# KiCad board berlin.kicad_pcb (continued)
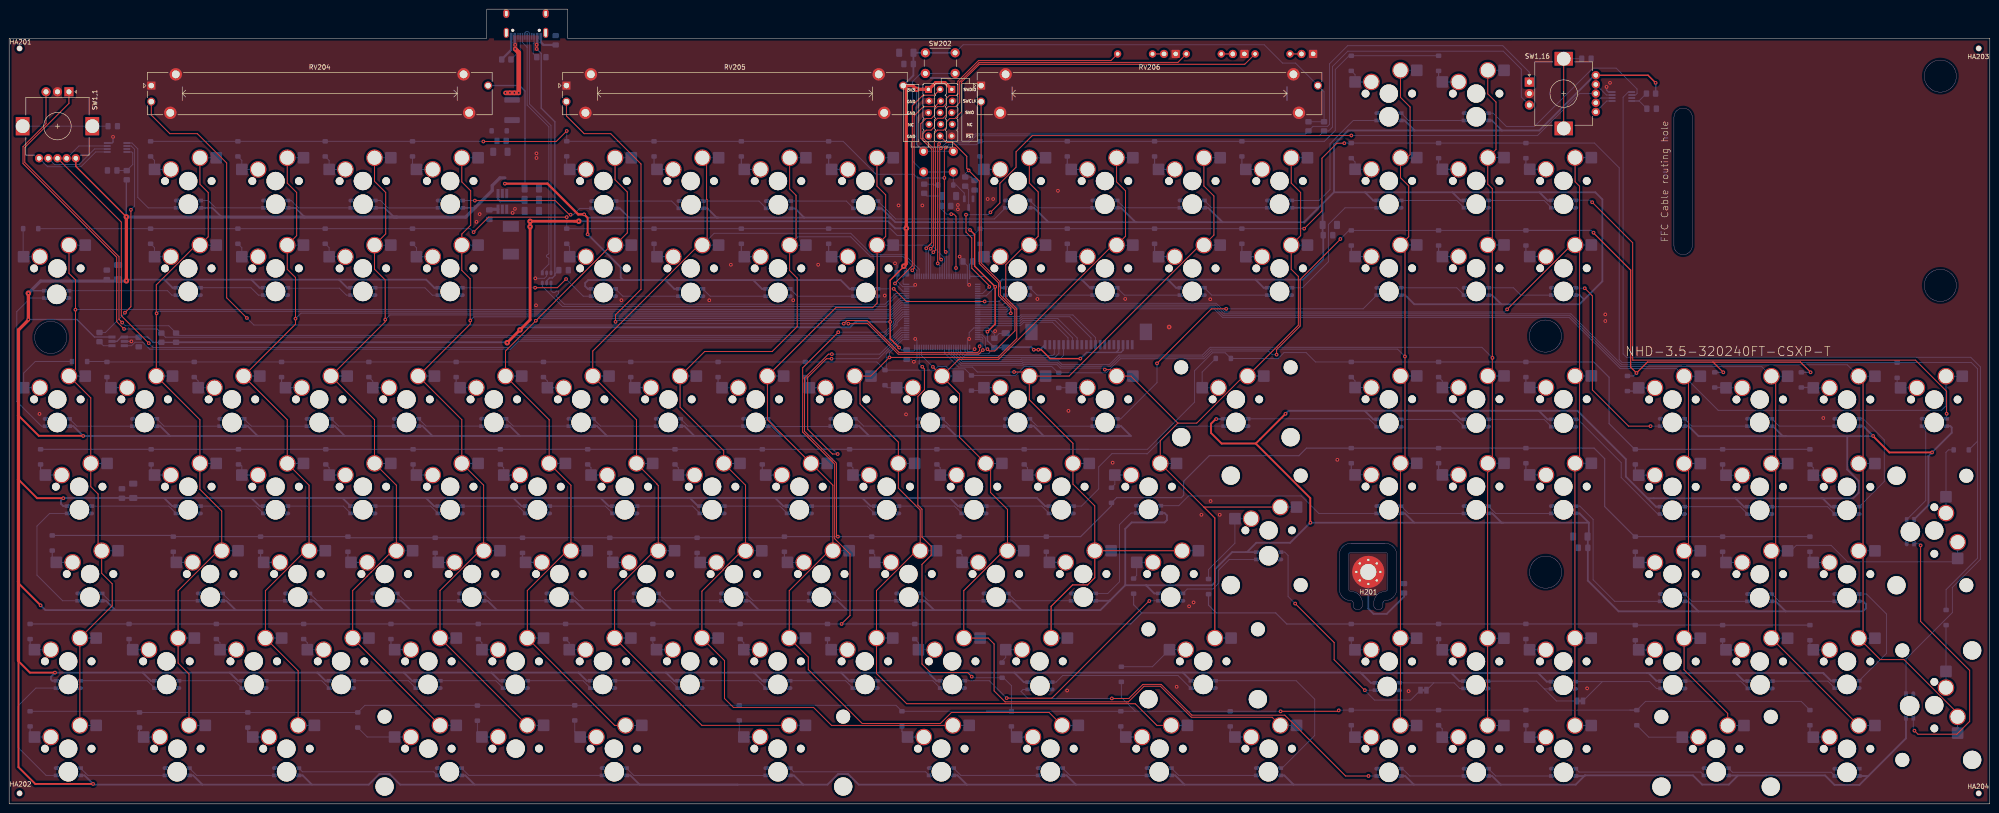
[diagram p0: board, top side]
## Routing (per net, layer and track width the routed paths; a pad name or vN(x,y) marks a point on that pad's centre or on a via; arc(x,y) is an arc through that point) (continued)
+5V: length 3369.8
  Top w0.3: SW1,16.+ 357.62,158.94 v1(359.27,157.29) ; SW1,1.+ 14.54,139.06 v3(25.57,128.04)
  Top w0.4: v3(25.57,128.04) 25.58,128.03 ; 2.03,84.71 6.45,80.29 16.11,80.29 v1(16.15,80.25) ; v1(125.47,128.59) 126.23,127.83 v1(126.23,124.25) ; v1(278.51,85.09) 272.02,78.6 ; v1(6.86,43.31) 2.03,48.13 2.03,48.51 ; v1(4.19,105.66) 4.19,105.54 ; 272.02,78.6 283.92,66.7 283.92,61.35 v1(283.95,61.32) ; 272.02,78.6 264.56,78.6 262.25,80.9 262.25,82.93 263.27,83.95 v1(263.4,83.95) ; 2.03,70.74 6.1,66.67 v1(11.81,66.67) ; v1(406.73,80.25) 406.73,80.2 410.27,76.66 v1(419.59,76.66) ; v1(10,28.63) 4.52,28.63 2.03,31.11 2.03,31.24 2.03,8 5.73,4.3 5.77,4.34 v1(18.31,4.34)
  Top w0.5: v1(125.47,128.59) 124.17,128.59 117.47,135.29 v1(108.17,135.29)
  Top w0.7: 2.03,31.24 2.03,103.38 4.19,105.54 ; 25.58,128.03 v3(25.58,114.09) ; v3(4.19,111.38) v1(4.19,105.66)
  Bottom w0.2: 4.82,111.94 4.78,111.97 ; 25.65,136.11 25.57,136.02 ; 359.29,157.26 v1(359.27,157.29) ; 101.63,130.01 101.74,130.12
  Bottom w0.3: 25.57,136.02 v3(25.57,128.04) ; v1(4.19,105.66) 14.79,105.66 18.62,101.84 U502.6 ; LED2,1.1 4.82,111.94 ; 359.29,154.94 359.29,157.26
  Bottom w0.4: 124.23,28.63 143.33,28.63 145.11,26.85 LED6,8.1 ; 124.23,28.63 105.23,28.63 ; 124.23,28.63 126.01,26.85 LED6,7.1 ; 333.91,133.4 346.1,133.4 347.65,131.86 347.65,113.99 342.65,108.99 325.59,108.99 ; 333.91,133.4 335.69,131.62 LED2,16.1 ; 333.91,133.4 314.93,133.4 ; LED2,6.1 126.26,112.34 125.69,112.91 125.69,113.61 126.34,114.26 134.02,114.26 ; LED4,16.1 335.66,83.87 333.8,85.74 ; 205.26,66.73 224.29,66.73 226.07,64.95 LED4,12.1 ; 205.26,66.73 207.04,64.95 LED4,11.1 ; 205.26,66.73 186.17,66.73 ; LED6,4.1 69.01,26.85 67.23,28.63 ; LED6,11.1 202.31,26.85 200.53,28.63 ; 333.8,85.74 314.82,85.74 ; 333.8,85.74 342.22,85.74 352.77,75.19 352.77,71.39 357.5,66.66 ; 314.82,85.74 316.68,83.87 LED4,15.1 ; 314.82,85.74 295.78,85.74 ; 181.53,28.63 200.53,28.63 ; 181.53,28.63 183.31,26.85 LED6,10.1 ; 181.53,28.63 162.53,28.63 ; 200.53,28.63 219.32,28.63 ; LED3,12.1 223.59,82.4 225.74,80.25 ; LED3,9.1 166.44,82.4 168.59,80.25 ; LED4,4.1 74.5,64.95 72.72,66.73 71.83,66.73 ; LED6,19.1 397.53,26.85 396,28.38 ; 343.86,6.21 343.72,6.07 LED7,16.1 ; 343.86,6.21 341.84,4.19 325.49,4.19 ; 343.86,6.21 367.42,6.21 369.43,4.2 375.24,4.2 377.22,6.18 ; 144.53,42.26 163.59,42.26 ; 144.53,42.26 125.49,42.26 ; 144.53,42.26 142.49,44.3 LED5,7.1 ; 163.59,42.26 161.55,44.3 LED5,8.1 ; 163.59,42.26 201.85,42.26 ; 110.01,66.73 129.05,66.73 ; 110.01,66.73 111.79,64.95 LED4,6.1 ; 110.01,66.73 90.94,66.73 ; 129.05,66.73 167.15,66.73 ; 129.05,66.73 130.83,64.95 LED4,7.1 ; 379.31,26.85 378.46,26.85 376.76,28.55 ; 270.1,54.92 272.14,56.95 279.52,56.95 283.89,61.32 v1(283.95,61.32) 283.96,61.33 344.7,61.33 ; 192.37,127.89 193.37,126.89 226.77,126.89 ; 192.37,127.89 190.36,129.9 LED1,9.1 ; 192.37,127.89 173.47,127.89 ; 280.27,4.19 278.26,6.2 LED7,11.1 ; 280.27,4.19 256.47,4.19 ; 280.27,4.19 306.52,4.19 ; 376.7,66.66 378.53,64.82 LED4,18.1 ; 376.7,66.66 357.5,66.66 ; 376.7,66.66 395.42,66.66 ; 106.54,42.26 106.44,42.26 104.4,44.3 LED5,5.1 ; 106.54,42.26 125.49,42.26 ; 106.54,42.26 87.58,42.26 ; 240.25,44.4 243.53,47.69 ; 240.25,44.4 240.15,44.3 LED5,12.1 ; 240.25,44.4 238.11,42.26 220.88,42.26 ; 243.53,47.69 243.53,59.99 244.94,61.39 252.13,61.39 252.64,61.9 252.64,62.91 252.11,63.44 251.28,63.44 ; 243.53,47.69 248.07,47.69 248.1,47.66 ; 92.38,80.25 111.43,80.25 ; 92.38,80.25 73.24,80.25 ; 92.38,80.25 90.23,82.4 LED3,5.1 ; 111.43,80.25 130.45,80.25 ; 111.43,80.25 109.28,82.4 LED3,6.1 ; 125.49,42.26 123.45,44.3 LED5,6.1 ; LED6,9.1 164.31,26.85 162.53,28.63 ; 206.68,80.25 204.53,82.4 LED3,11.1 ; 206.68,80.25 225.74,80.25 ; 206.68,80.25 187.66,80.25 ; LED4,17.1 359.33,64.82 357.5,66.66 ; LED6,5.1 87.91,26.85 86.13,28.63 ; 314.93,133.4 316.71,131.62 LED2,15.1 ; 314.93,133.4 295.86,133.4 ; 101.57,4.19 99.57,6.19 LED7,5.1 ; 344.7,61.33 342.68,63.35 LED5,16.1 ; 344.7,61.33 344.7,58.6 C722.1 344.47,58.24 C723.1 344.47,48.7 351.19,41.99 368.59,41.99 ; 83.97,127.99 81.95,130.01 LED1,4.1 ; 71.98,114.35 91,114.35 92.78,112.57 LED2,5.1 ; 71.98,114.35 52.85,114.35 ; 71.98,114.35 73.76,112.57 LED2,4.1 ; LED2,13.1 273.74,112.57 271.96,114.35 ; LED7,15.1 323.6,6.07 325.49,4.19 ; 325.99,61.33 325.67,61.33 323.65,63.35 LED5,15.1 ; 225.74,80.25 244.77,80.25 242.63,82.38 LED3,13.1 ; 360.26,26.85 359.41,26.85 357.71,28.55 357.36,28.55 ; 162.53,28.63 143.29,28.63 ; 232.77,4.19 230.76,6.2 229.87,6.2 ; 232.77,4.19 256.47,4.19 ; 232.77,4.19 208.97,4.19 ; 317.38,26.77 316.45,26.77 314.67,28.55 ; 29.2,28.63 29.17,28.59 30.91,26.85 LED6,2.1 ; 29.2,28.63 48.2,28.63 ; 29.2,28.63 v1(10,28.63) 9.12,27.74 9.12,27.14 9.41,26.85 LED6,1.1 ; LED5,1.1 21.13,44.3 23.17,42.26 ; LED2,9.1 183.37,112.34 181.45,114.26 162.36,114.26 ; 68.54,42.26 87.58,42.26 ; 68.54,42.26 49.45,42.26 ; 68.54,42.26 66.5,44.3 LED5,3.1 ; 87.58,42.26 85.54,44.3 LED5,4.1 ; 295.86,133.4 289.14,133.4 ; 295.86,133.4 297.64,131.62 LED2,14.1 ; 130.45,80.25 128.3,82.4 LED3,7.1 ; 130.45,80.25 149.52,80.25 ; 387.66,41.99 385.47,44.17 LED5,18.1 ; 387.66,41.99 404.51,41.99 405.17,42.64 405.17,43.57 404.56,44.17 LED5,19.1 ; 387.66,41.99 368.59,41.99 ; 222.26,26.55 221.4,26.55 219.32,28.63 ; 325.59,108.99 306.61,108.99 304.62,110.97 LED3,14.1 ; 325.59,108.99 323.6,110.97 LED3,15.1 ; 42.17,4.19 40.16,6.2 LED7,2.1 ; 42.17,4.19 78.47,4.19 80.77,6.49 83.02,6.49 85.32,4.19 158.97,4.19 ; 42.17,4.19 18.47,4.19 v1(18.31,4.34) 16.46,6.2 LED7,1.1 ; 396,28.38 395.83,28.55 357.36,28.55 ; 396,28.38 395.89,28.49 ; v1(278.51,85.09) 279.16,85.74 295.78,85.74 ; LED4,1.1 11.81,64.95 11.3,65.45 11.3,66.17 v1(11.81,66.67) 11.86,66.73 33.81,66.73 ; LED2,7.1 145.13,112.34 143.21,114.26 ; 162.36,114.26 143.21,114.26 ; 162.36,114.26 164.28,112.34 LED2,8.1 ; 256.12,28.63 294.88,28.63 294.96,28.55 ; 256.12,28.63 219.32,28.63 ; 256.12,28.63 LED7,13.1 ; 286.6,130.93 C720.1 286.6,124.18 C721.1 286.74,118.78 282.31,114.35 271.96,114.35 ; LED3,4.1 71.1,82.38 73.24,80.25 ; LED7,10.1 254.46,6.2 256.47,4.19 ; 252.84,114.35 234.04,114.35 ; 252.84,114.35 254.62,112.57 LED2,12.1 ; 252.84,114.35 271.96,114.35 ; 234.04,114.35 235.82,112.57 LED2,11.1 ; 234.04,114.35 216.64,114.35 216.23,113.94 216.23,112.93 216.58,112.57 LED2,10.1 ; LED4,2.1 35.59,64.95 33.81,66.73 ; 294.96,28.55 297.12,26.39 LED6,14.1 ; 294.96,28.55 357.36,28.55 ; 295.78,85.74 297.64,83.87 LED4,14.1 ; LED4,19.1 397.54,64.82 395.71,66.66 395.42,66.66 ; SW1,16.+ 345.94,158.94 333.89,146.89 325.74,146.89 ; 135.27,127.89 126.17,127.89 v1(125.47,128.59) ; 135.27,127.89 154.67,127.89 ; 135.27,127.89 133.26,129.9 LED1,6.1 ; 168.59,80.25 187.66,80.25 ; 168.59,80.25 149.52,80.25 ; 187.66,80.25 185.51,82.4 LED3,10.1 ; 23.17,42.26 7.9,42.26 v1(6.86,43.31) ; 23.17,42.26 49.45,42.26 ; 208.97,4.19 206.96,6.2 LED7,8.1 ; 208.97,4.19 185.37,4.19 183.07,6.49 180.87,6.49 178.57,4.19 173.27,4.19 ; 48.2,28.63 48.17,28.59 49.91,26.85 LED6,3.1 ; 48.2,28.63 67.23,28.63 ; LED3,16.1 342.68,110.97 343.66,110 ; LED6,13.1 266.87,54.92 263.16,51.2 263.16,48.38 262.46,47.69 248.12,47.69 248.1,47.66 ; 387.71,80.21 368.64,80.21 366.45,82.4 LED3,17.1 ; 387.71,80.21 406.69,80.21 v1(406.73,80.25) 404.58,82.4 LED3,19.1 ; 387.71,80.21 387.02,80.21 384.83,82.4 LED3,18.1 ; 33.88,114.35 33.88,114.35 52.85,114.35 ; 33.88,114.35 35.65,112.57 LED2,2.1 ; 33.88,114.35 25.84,114.35 v3(25.58,114.09) ; 173.27,4.19 171.27,6.19 LED7,7.1 ; 173.27,4.19 158.97,4.19 ; LED3,8.1 147.37,82.4 149.52,80.25 ; 375.16,6.18 383.37,6.18 383.38,6.19 396.24,6.19 398.31,4.13 403.74,4.13 413.9,14.29 LED2,19.1 ; 368.59,41.99 366.4,44.17 LED5,17.1 ; 306.68,146.89 292.17,146.89 289.1,143.82 289.1,133.45 ; 306.68,146.89 304.49,149.07 LED1,14.1 ; 306.68,146.89 325.74,146.89 ; 395.42,66.66 402.39,66.66 403.56,67.83 403.56,70.46 401.09,72.93 401.09,80.17 ; 333.62,28.55 335.51,26.66 LED6,16.1 ; 105.23,28.63 107.01,26.85 LED6,6.1 ; 105.23,28.63 86.13,28.63 ; 186.17,66.73 187.95,64.95 LED4,10.1 ; 186.17,66.73 167.15,66.73 ; 306.52,4.19 304.63,6.07 LED7,14.1 ; 306.52,4.19 325.49,4.19 ; 264.77,126.89 261.63,130.02 LED1,12.1 ; 264.77,126.89 282.57,126.89 289.1,133.42 ; 264.77,126.89 245.77,126.89 242.63,130.02 LED1,11.1 ; 285.7,130.02 LED1,13.1 ; 49.45,42.26 47.41,44.3 LED5,2.1 ; LED2,18.1 418.8,65.17 418.8,75.87 v1(419.59,76.66) 423.88,80.95 423.88,82.1 423.58,82.4 LED2,17.1 ; LED5,9.1 180.77,44.3 182.75,42.32 ; 90.94,66.73 92.72,64.95 LED4,5.1 ; 90.94,66.73 71.83,66.73 ; LED7,3.1 64.06,6.2 66.07,4.19 ; LED1,2.1 44.35,130.01 46.37,127.99 ; 52.85,66.73 54.63,64.95 LED4,3.1 ; 52.85,66.73 33.81,66.73 ; 52.85,66.73 71.83,66.73 ; LED4,8.1 150.32,64.95 148.59,66.67 ; 52.85,114.35 54.63,112.57 LED2,3.1 ; 154.67,127.89 154.37,127.89 152.36,129.9 LED1,7.1 ; 154.67,127.89 173.47,127.89 ; LED6,12.1 249.86,45.9 248.1,47.66 ; LED1,8.1 171.46,129.9 173.47,127.89 ; 86.13,28.63 67.23,28.63 ; 325.74,146.89 323.55,149.07 LED1,15.1 ; 201.85,42.26 220.88,42.26 ; 201.85,42.26 199.81,44.3 LED5,10.1 ; 220.88,42.26 218.84,44.3 LED5,11.1 ; 35.12,80.25 32.98,82.38 LED3,2.1 ; 35.12,80.25 54.22,80.25 ; 35.12,80.25 v1(16.15,80.25) 14.01,82.38 LED3,1.1 ; 143.21,114.26 134.02,114.26 ; LED1,10.1 223.63,130.02 226.77,126.89 ; 54.22,80.25 52.08,82.38 LED3,3.1 ; 54.22,80.25 73.24,80.25 ; LED7,18.1 405.68,6.07 ; 167.15,66.73 168.93,64.95 LED4,9.1 ; 134.02,114.26 133.44,114.83 133.44,117.03 v1(126.23,124.25) ; LED4,13.1 264.96,83.95 v1(263.4,83.95) ; 306.61,61.33 304.59,63.35 LED5,14.1 ; 25.62,127.99 v3(25.57,128.04) ; LED7,6.1 135.56,6.2 137.57,4.19 158.97,4.19 ; 226.77,126.89 246.07,126.89 ; LED1,3.1 62.45,130.01 64.47,127.99 ; LED1,5.1 101.63,130.01
  Bottom w0.7: v3(4.19,111.38) 6.85,114.04 25.53,114.04 v3(25.58,114.09) ; 84.57,127.99 25.62,127.99 ; 84.57,127.99 83.97,127.99 ; 84.57,127.99 99.61,127.99 105.41,133.79 105.41,134.87 107.09,136.55 108.17,136.55
GND: length 60.5
  Bottom w0.2: v1(193.29,117.92) 193.74,117.47 193.74,114.06 194.98,112.81 U501.74 197.31,112.81 v1(197.71,113.21) ; 195.83,96.97 196.89,96.97 v1(197.42,96.44) 198.08,97.11 U501.49 198.08,101.04 v1(197.71,101.42) ; v1(114.82,114.64) 116.8,114.64 117.28,115.12 U701.2 ; 26.66,100.89 v1(26.67,100.89) ; 217.45,102.6 216.04,102.6 214.99,101.54 214.99,102.47 213.64,103.81 U501.20 210.48,103.81 209.48,102.81 v1(209.48,101.42) 209.08,101.02 U501.27 209.08,98.72 209.13,98.67 210.14,98.67 v1(210.67,99.19) ; v1(209.48,113.21) 209.08,113.61 U501.99 209.08,117.38 208.14,118.31 208.14,118.63 v1(207.39,119.38)
  Bottom w0.3: LED1,1.4 22.44,144.16 22.67,144.39 v1(22.67,145.49) ; v1(348.57,156.39) 348.57,155.69 348.98,155.28 LED1,16.4 ; U502.2 26.66,100.89
  Bottom w0.5: 116.03,167.97 116.03,166.12 116.59,165.55 L702.2 ; 109.53,167.97 109.53,164.45 107.46,162.38
  vias: v1(6.62,85.06) v1(101.98,126.96) v1(102.67,128.65) v1(109.85,128.9) v1(110.37,129.79) v1(114.97,108.76) v1(115.07,141.89) v1(115.07,140.89) v1(133.6,109.86) v1(152.77,109.85) v1(157.48,117.6) v1(171.09,109.87) v1(176.53,117.6) v1(191.06,110.88) v1(194.07,130.54) v1(195.71,84.96) v1(199.27,130.54) v1(207.02,130.64) v1(207.02,129.69) v1(213.52,131.94) v1(214.72,131.94) v1(215.14,103.12) v1(224.37,110.13) v1(228.85,133.73) v1(230.86,24.72) v1(231.14,85.72) v1(240.79,74.42) v1(243.53,110.14) v1(254.76,25.53) v1(257.47,43.09) v1(258.45,43.94) v1(260.16,63.05) v1(262.09,110.08) v1(262.16,66.05) v1(264.16,63.05) v1(289.81,75.06) v1(305.37,24.59) v1(344.32,25.19) v1(348.29,106.77) v1(348.29,105.32) v1(349.32,157.29) v1(395.86,84.16) v2(253.11,104.01)
PV1: length 226.6
  Top w0.2: v1(211.77,99.82) 211.77,98.89 211.36,98.48 194.17,98.48 187.21,105.45 182.82,105.45 v1(182.12,104.75) ; v1(51.87,105.99) 47.47,110.39 47.47,139.79 41.07,146.19 35.07,146.19 31.01,150.24 RV204.2
  Bottom w0.2: U501.25 212.07,101.31 212.07,100.12 v1(211.77,99.82) ; v1(51.87,105.99) 53.41,104.45 132.96,104.45 133.26,104.75 v1(182.12,104.75)
PV2: length 148
  Top w0.2: v1(212.47,98.99) 211.56,98.08 194.01,98.08 187.34,104.75 v1(183.12,104.75) ; RV205.2 121.59,150.06 125.47,146.19 131.27,146.19 137.87,139.59 137.87,112.23 132.32,106.68 v1(132.32,105.15)
  Bottom w0.2: v1(212.47,98.99) 212.47,98.99 212.47,101.59 212.24,101.82 U501.24 ; v1(183.12,104.75) 182.42,105.45 132.62,105.45 v1(132.32,105.15)
PV3: length 65.6
  Top w0.2: RV206.2 212.08,118 216.27,113.82 216.27,111.02 219.47,107.82 219.47,103.19 215.07,98.79 213.87,98.79 v1(213.47,99.19)
  Bottom w0.2: U501.23 212.31,102.31 213.02,101.6 213.02,99.64 v1(213.47,99.19)
VBUS: length 73.5
  Top w1: v1(108.31,155.09) v1(109.27,155.09) v1(110.24,155.09) v1(111.2,155.09) 111.2,163.88 v1(110.41,164.67)
  Bottom w0.2: 110.33,165.66 v1(110.41,165.57) ; 115.21,165.68 115.2,165.68 ; U701.5 117.28,113.79
  Bottom w0.3: 119.08,115.58 119.08,115.27 118.53,114.72 117.9,114.72 117.28,114.11 117.28,113.79 ; 119.08,115.58 119.08,148.78 116.1,151.75 116.1,163.68 v1(115.11,164.68) ; 119.08,115.58 119.9,116.41 119.96,116.41
  Bottom w0.5: 115.21,165.68 115.21,165.68 115.23,165.69 115.23,167.97 ; 110.33,167.97 110.33,165.66 ; v1(115.11,165.58) v1(115.11,164.68)
(no net): length 5265
  Top w0.2: v1(201.07,121.1) 201.73,121.75 201.73,142.93 199.34,145.31 199.34,146.2 200.1,146.96 201.17,146.96 201.93,147.73 201.93,148.89 202.59,149.56 203.76,149.56 204.47,150.27 204.47,151.64 204.93,152.1 206.5,152.1 207.42,153.01 207.42,157.47 211.68,161.74 255.02,161.74 R307.1 ; v1(248.8,44.25) 248.73,44.25 227.54,23.06 217.68,23.06 v1(217.67,23.07) ; v1(121.52,114.49) 119.62,112.59 v1(114.77,112.59) ; v1(25.07,103.59) 23.47,105.19 23.47,119.24 3.02,139.69 3.02,143.36 8.04,148.38 SW1,1.B ; v1(122.51,128.52) 122.24,128.52 119.17,131.59 v1(101.62,131.59) ; R306.2 252,163.59 ; v1(250.47,96.09) 262.37,107.99 v1(265.57,107.99) ; R308.2 282,163.59 ; R307.2 267,163.59 ; v1(202.62,117.89) 202.62,143.64 v1(202.92,143.94) ; v1(25.27,107.15) 26.57,108.45 v1(26.57,129.59) ; v1(201.67,120.34) 202.12,120.79 202.12,143.17 201.88,143.41 201.88,146.3 202.54,146.96 203.91,146.96 204.52,147.57 204.52,148.79 205.23,149.5 206.35,149.5 207.82,150.98 207.82,157.45 211.72,161.34 269.62,161.34 R308.1 ; v1(417.1,56.38) 417.1,39.79 427.8,29.09 427.8,17.99 425,15.19 416.52,15.19 v1(415.75,15.96) ; SW1,1.A 13.04,152.81 3.42,143.19 3.42,139.89 23.97,119.34 23.97,105.69 v1(24.67,104.99) ; v1(296.62,6.07) 291.62,6.07 278.36,19.34 258.09,19.34 251.37,26.05 247.38,26.05 244.32,22.99 v1(240.62,22.99) ; 339.21,147.34 SW1,16.MP ; v1(295.82,24.79) 295.77,24.79 289.12,31.44 289.12,35.19 v1(280.62,43.69) ; v1(203.37,118.74) 203.07,119.04 203.07,142.8 v1(203.3,143.04) ; R306.1 240.42,162.14 211.52,162.14 207.01,157.63 207.01,154.84 206.71,154.53 205.18,154.53 204.47,153.82 204.47,152.76 203.81,152.1 202.54,152.1 201.93,151.49 201.93,150.22 201.22,149.5 200.05,149.5 198.93,148.39 198.93,145.19 201.32,142.8 201.32,122.39 v1(200.12,121.19) ; v1(343.81,112.48) 345.47,110.82 345.47,90.29 353.37,82.39 v1(358.17,82.39) ; v1(345.43,131.24) 345.43,131.23 354.27,122.39 354.27,96.79 415.97,96.79 422.77,89.99 v1(422.77,85.09) ; v1(193.02,112.34) 195.77,109.59 v1(212.87,109.59)
  Bottom w0.2: LED3,13.2 242.56,83.98 250.47,91.89 v1(250.47,96.09) ; D703.1 201.82,134.99 201.62,135.19 R711.2 ; LED7,16.2 342.56,6.93 369.1,6.93 LED7,17.4 ; LED3,10.2 184.86,84 186.46,82.4 LED3,11.4 ; 111.47,71.72 SW4,6.2 107.92,73.31 D37.2 ; 182.91,33.62 SW6,10.2 ; LED5,13.2 255.22,65.04 257.35,67.17 281.96,67.17 285.78,63.35 LED5,14.4 ; SW3,19.2 397.22,90.74 ; LED2,17.2 422.72,85.04 v1(422.77,85.09) ; LED6,10.4 201.59,26.85 LED6,11.2 ; LED6,3.2 49.19,26.85 LED6,2.4 ; LED3,4.2 71.88,82.4 LED3,5.4 ; U501.30 207.58,98.77 208.56,97.79 227.72,97.79 228.06,98.13 J203.3 ; 92.42,138.4 SW1,5.2 88.01,139.26 D28.2 ; v1(203.3,143.04) 203.3,143.08 204.42,144.19 209.42,144.19 210.97,145.74 285.87,145.74 R305.1 287.92,146.79 288.77,147.64 288.77,160.86 292.1,164.19 326.02,164.19 329.97,160.24 329.97,154.19 SW1,16.B ; LED6,15.2 316.54,25.17 315.32,26.39 310.87,26.39 ; LED5,2.2 48.15,44.3 LED5,3.4 ; v1(114.77,112.59) 114.75,112.57 LED2,5.4 ; LED1,11.2 243.35,130.02 LED1,12.4 ; LED7,1.4 8.06,6.2 1.87,12.39 1.87,21.29 5.83,25.25 LED6,1.2 ; LED7,18.4 397.57,6.89 376.03,6.89 LED7,17.2 ; U501.62 195.82,106.82 195.06,106.82 193.34,105.11 193.34,104.6 190.93,102.19 36.94,102.19 ; LED2,18.2 418.21,66.15 418.21,81.63 LED2,17.4 ; LED6,9.2 163.49,26.85 LED6,8.4 ; SW3,11.2 191.65,90.77 D70.2 ; LED4,12.2 225.34,64.95 LED4,11.4 ; 79.71,112.57 90.74,112.57 92.35,110.95 93.46,110.95 ; LED6,7.2 125.26,26.85 LED6,6.4 ; LED2,11.2 224.3,110.97 LED2,10.4 ; LED1,14.2 305.32,149.07 LED1,15.4 ; LED4,6.4 130.09,64.95 LED4,7.2 ; SW1,1.G 9.88,139.49 15.27,139.49 18.64,142.86 LED1,1.2 ; 322.69,26.77 333.29,26.77 334.99,25.06 ; LED3,14.4 295.45,107.99 v1(265.57,107.99) ; LED2,8.2 152.96,110.74 LED2,7.4 ; LED4,10.4 206.29,64.95 LED4,11.2 ; LED7,8.4 199.98,6.99 171.21,6.99 LED7,7.2 ; LED1,9.2 193.46,127.59 214.98,127.59 LED1,10.4 ; D46.2 122.21,35.15 SW6,7.2 125.76,33.62 ; LED2,2.2 35.51,110.97 34.55,111.94 LED2,1.4 ; 365.65,26.77 377.83,26.77 LED6,18.2 ; LED7,15.4 305.62,6.07 304.02,7.67 LED7,14.2 ; 249.59,52.67 SW6,12.2 246.03,49.81 D80.2 ; 92.42,71.72 SW4,5.2 ; 35.27,138.4 SW1,2.2 31.72,140.37 D8.2 ; LED7,9.2 229.86,7.8 231.46,6.2 LED7,10.4 ; LED1,4.4 63.15,130.01 61.55,131.61 LED1,3.2 ; 160.4,14.58 159.32,15.66 D127.2 ; 334.99,25.06 LED6,16.2 ; 334.99,25.06 337.62,22.44 342.12,22.44 ; LED4,15.2 315.89,83.87 LED4,14.4 ; LED2,13.2 262.4,110.97 LED2,12.4 ; LED5,8.4 143.27,44.3 LED5,7.2 ; LED7,5.4 92.62,6.99 63.99,6.99 LED7,3.2 ; v1(122.51,128.52) 123.11,128.52 124.48,129.9 LED1,6.4 ; 121,90.77 SW3,7.2 117.44,92.23 D43.2 ; J203.5 230.06,97.78 229.29,97.01 220.86,97.01 220.73,96.88 208.28,96.88 206.58,98.58 U501.32 ; LED4,14.2 296.71,84 LED4,13.4 ; 413.9,24.13 413.9,31.6 424.02,41.72 424.02,47.21 430.14,53.33 430.14,95.31 428.04,97.41 352.93,97.41 352.18,98.16 352.18,154.15 353.31,155.28 LED1,16.5 ; 229.03,90.77 SW3,13.2 235.3,90.77 ; LED2,8.4 172.01,110.74 LED2,9.2 ; 201.96,33.62 SW6,11.2 198.41,35.15 D73.2 ; LED3,2.2 33.8,82.38 LED3,3.4 ; LED5,11.4 200.55,44.3 LED5,10.2 ; LED1,7.4 144.56,131.5 LED1,6.2 ; LED3,8.4 129.05,82.4 LED3,7.2 ; LED5,7.4 124.22,44.3 LED5,6.2 ; v1(121.52,114.49) 125.27,110.74 LED2,6.2 ; U501.88 203.58,118.52 v1(203.37,118.74) ; 297.24,138.43 SW2,14.2 293.69,140.02 D90.2 ; 44.8,90.77 SW3,3.2 41.24,92.23 D17.2 ; LED2,10.2 216.03,109.59 v1(212.87,109.59) ; LED1,16.1 348.6,153.33 SW1,16.R ; LED6,19.2 396.87,26.77 384.72,26.77 ; LED2,4.2 73.58,110.97 72.07,112.49 60.85,112.49 LED2,3.4 ; 316.26,33.59 SW6,15.2 ; v1(25.07,103.59) 32.32,103.59 34.12,101.79 191.1,101.79 193.74,104.44 193.74,104.94 195.11,106.31 U501.61 ; LED6,8.2 144.31,26.85 LED6,7.4 ; LED5,15.2 324.37,63.35 LED5,16.4 ; 73.37,138.4 SW1,4.2 69.82,140.37 D22.2 ; D35.2 122.3,121.54 SW2,6.2 125.86,119.35 ; U501.83 201.08,119.75 v1(201.67,120.34) ; LED1,5.2 101.6,131.61 v1(101.62,131.59) ; LED3,5.2 90.95,82.4 LED3,6.4 ; D27.2 65.06,35.15 SW6,4.2 68.61,33.62 ; LED7,3.4 40.91,6.2 LED7,2.2 ; v1(358.17,82.39) 360.28,82.39 LED3,17.4 ; D34.2 121.67,139.03 SW1,6.2 125.86,138.4 ; LED5,1.2 21.86,44.3 LED5,2.4 ; v1(280.62,43.69) 279.07,45.24 279.07,54.19 278.34,54.92 LED6,13.4 ; LED5,1.4 11.66,44.3 6.07,49.89 6.07,60.59 8.83,63.35 LED4,1.2 ; LED1,13.4 262.4,130.02 LED1,12.2 ; LED6,17.2 359.44,25.17 357.94,26.66 LED6,16.4 ; D40.2 78.13,14.58 87.21,14.58 ; D71.2 203.17,73.31 SW4,11.2 206.72,71.72 ; 19.71,100.8 20.57,99.94 22.43,99.94 ; LED4,9.4 187.24,64.95 LED4,10.2 ; LED7,5.2 100.3,6.2 LED7,6.4 ; LED5,4.2 86.25,44.3 LED5,5.4 ; LED4,17.4 377.74,64.82 LED4,18.2 ; 335.34,138.43 SW2,16.2 ; D15.2 50.77,140.37 SW1,3.2 54.32,138.4 ; 97.19,52.67 SW5,5.2 ; D23.2 69.82,121.32 SW2,4.2 73.37,119.35 ; LED6,12.2 248.85,44.3 v1(248.8,44.25) ; LED7,2.4 17.16,6.2 16.66,6.7 16.66,6.7 LED7,1.2 ; LED5,9.2 181.5,44.3 LED5,10.4 ; LED7,10.2 255.19,6.2 LED7,11.4 ; LED4,17.2 359.73,63.22 351.76,71.2 351.76,74.44 342.32,83.87 LED4,16.4 ; LED1,16.6 354.91,154.63 355.22,154.94 355.22,155.94 350.67,160.49 345.57,160.49 332.82,147.74 326.72,147.74 323.78,150.67 LED1,15.2 ; LED5,4.4 67.2,44.3 66.7,44.8 66.7,44.8 LED5,3.2 ; 297.24,71.75 SW5,14.2 ; D126.2 123.42,15.74 SW7,6.2 128.14,14.57 ; SW1,1.B 15.22,143.51 LED1,1.3 ; LED3,1.2 14.75,82.38 LED3,2.4 ; R703.2 209.37,133.99 Q701.3 ; LED5,16.2 342.73,64.95 345.63,62.05 345.63,48.88 350.33,44.17 LED5,17.4 ; LED6,6.2 106.21,26.85 LED6,5.4 ; 130.52,71.72 SW4,7.2 126.97,73.31 D44.2 ; LED3,10.4 179.2,82.29 167.25,82.29 LED3,9.2 ; LED5,6.4 105.17,44.3 LED5,5.2 ; LED4,15.4 334.94,83.87 LED4,16.2 ; SW1,1.R 8.38,138.99 15.67,138.99 18.89,142.21 LED1,1.1 ; SW202.2 SW202.2 198.92,159.34 197.12,157.54 197.12,140.24 SW201.2 SW201.2 D703.2 206.67,134.99 208.42,133.24 Q701.1 ; LED1,16.2 347.25,153.98 SW1,16.G ; LED4,18.4 396.79,64.82 LED4,19.2 ; LED4,13.2 254.38,82.4 248.3,76.33 248.24,76.39 240.63,76.39 237.74,73.51 237.74,68.71 233.99,64.95 LED4,12.4 ; LED2,3.2 54.38,110.97 52.77,112.59 41.74,112.59 LED2,2.4 ; 36.42,102.71 34.84,104.29 25.37,104.29 v1(24.67,104.99) ; LED2,13.4 282.17,112.57 287.87,118.27 287.87,126.39 291.5,130.02 LED2,14.2 ; v1(345.43,131.24) 344.98,131.69 341.89,131.69 LED2,16.4 ; LED7,11.2 277.77,7.8 284.88,14.91 284.88,22.82 280.85,26.85 LED7,13.4 ; LED4,4.2 72.94,64.95 LED4,3.4 ; LED2,15.2 315.89,131.62 LED2,14.4 ; 244.82,71.72 SW5,13.2 241.27,69.69 D86.2 ; D52.2 140.46,35.05 141.26,34.26 SW6,8.2 144.81,33.62 ; 183.01,138.4 SW1,9.2 ; J203.4 229.06,98.27 228.18,97.39 208.47,97.39 207.08,98.77 U501.31 ; 256.73,33.62 SW7,13.2 249.46,29.91 D88.2 ; v1(343.81,112.48) 341.92,112.48 LED3,16.2 ; v1(417.1,56.38) 416.76,56.72 LED2,18.4 ; 106.21,14.58 102.65,14.58 102.17,15.06 D125.2 ; LED5,17.2 367.17,44.17 LED5,18.4 ; SW1,16.B 348.52,154.63 LED1,16.3 ; LED4,5.2 91.99,64.95 LED4,4.4 ; D9.2 31.72,121.32 SW2,2.2 35.27,119.35 ; D64.2 184.12,73.31 SW4,10.2 187.67,71.72 ; v1(415.75,15.96) 415.5,16.21 415.5,18.64 ; LED5,11.2 219.6,44.3 LED5,12.4 ; D98.2 312.74,92.27 SW4,15.2 316.29,90.8 ; LED1,1.6 26.64,143.51 27.37,142.79 27.37,130.39 v1(26.57,129.59) ; LED5,19.4 386.22,44.17 LED5,18.2 ; 163.86,33.62 SW6,9.2 160.31,35.15 D59.2 ; 378.17,90.74 SW3,18.2 ; LED7,8.2 206.06,7.8 207.66,6.2 LED7,9.4 ; SW7,7.2 163.86,14.58 ; 54.32,119.35 SW2,3.2 50.77,121.32 D16.2 ; LED4,6.2 111.04,64.95 LED4,5.4 ; LED4,7.4 149.14,64.95 LED4,8.2 ; 254.35,138.4 SW1,12.2 ; LED5,8.2 162.32,44.3 LED5,9.4 ; LED4,3.2 53.89,64.95 LED4,2.4 ; 54.32,71.72 SW4,3.2 50.77,73.69 50.42,74.04 D18.2 ; LED4,2.2 34.84,64.95 LED4,1.4 ; 422.62,25.34 SW2,19.2 422.62,38.96 D120.2 ; SW1,16.A 331.71,159.59 325.92,165.39 292.07,165.39 288.12,161.44 288.12,148.24 287.67,147.79 284.52,147.79 282.87,146.14 210.82,146.14 209.27,144.59 203.57,144.59 v1(202.92,143.94) ; LED2,15.4 334.94,131.62 LED2,16.2 ; LED6,14.2 v1(295.82,24.79) 295.82,24.74 297.92,22.64 305.82,22.64 JMP6,14.2 ; LED6,13.2 266.23,53.32 263.84,50.92 263.84,48.06 262.64,46.86 257.06,46.86 LED6,12.4 ; LED5,19.2 405.28,45.77 409.67,41.39 409.67,32.85 LED6,19.4 ; SW6,14.2 297.22,33.59 ; 101.95,90.77 SW3,6.2 ; 30.51,33.62 SW6,2.2 ; 297.24,157.48 293.69,157.48 293.69,159.07 292.86,159.89 ; SW1,16.MP 343.12,162.54 L2.2 ; LED3,18.2 386.22,82.4 LED3,19.4 ; LED2,12.2 243.35,110.97 LED2,11.4 ; LED7,7.4 136.29,6.19 LED7,6.2 ; 310.87,26.39 LED6,14.4 ; 310.87,26.39 309.27,24.79 ; LED1,2.4 30.35,130.01 28.07,132.29 28.07,142.89 26.8,144.16 LED1,1.5 ; 216.66,31.11 217.46,31.91 SW7,12.2 221.01,33.62 ; SW3,12.2 212.07,90.15 D77.2 ; v1(217.67,23.07) 213.89,26.85 LED6,11.4 ; LED4,9.2 168.19,64.95 LED4,8.4 ; LED7,15.2 324.37,6.07 LED7,16.4 ; LED1,3.4 45.05,130.01 44.55,130.51 44.55,130.51 43.45,131.61 LED1,2.2 ; v1(201.07,121.1) 200.58,120.61 U501.82 ; 271.02,62.2 SW6,13.2 267.46,56.86 261.71,51.1 261.71,49.06 ; D129.2 330.96,34.4 SW6,16.2 335.31,33.6 ; LED3,6.2 110,82.4 LED3,7.4 ; D20.2 46.01,35.15 SW6,3.2 49.56,33.62 ; D85.2 260.32,94.19 SW4,13.2 263.87,90.77 ; LED6,4.2 68.24,26.85 LED6,3.4 ; U501.87 203.08,117.42 v1(202.62,117.89) ; D124.2 392.94,34.8 393.67,34.07 SW6,19.2 397.22,33.59 ; LED3,13.4 224.31,82.38 LED3,12.2 ; D122.2 393.67,73.31 SW4,19.2 397.22,71.69 ; v1(25.27,107.15) 25.27,107.09 21,102.82 19.74,102.82 19.71,102.85 ; LED3,19.2 404.57,84 409.17,79.4 409.17,70.32 LED4,19.4 ; v1(240.62,22.99) 222.32,22.99 220.8,24.51 221.24,24.95 LED7,12.2 ; LED6,4.4 87.16,26.85 LED6,5.2 ; 92.42,119.35 88.87,119.35 88.87,121.32 D29.2 ; SW1,1.MP SW1,1.MP 21.58,147.83 L1.2 ; LED3,11.2 205.25,82.4 LED3,12.4 ; LED3,8.2 148.1,82.4 LED3,9.4 ; D114.2 423.16,77.22 422.62,76.68 SW2,18.2 422.62,63.44 ; 368.65,14.54 SW7,17.2 357.76,14.54 D113.2 ; 6.7,119.35 SW2,1.2 3.05,119.44 D2.2 ; LED3,1.4 7.05,82.38 1.67,87.77 1.67,107.39 4.62,110.34 LED2,1.2 ; D108.2 411.97,91.49 SW2,17.2 416.27,90.74 ; LED2,6.4 133.91,110.74 LED2,7.2 ; D25.2 69.82,73.31 SW4,4.2 73.37,71.72 ; LED1,9.4 182.66,131.5 LED1,8.2 ; D50.2 146.02,73.31 SW4,8.2 149.57,71.72 ; LED3,14.2 315.89,112.57 LED3,15.4 ; 378.17,71.69 SW4,18.2 ; LED6,10.2 182.54,26.85 LED6,9.4 ; LED5,14.2 305.32,63.35 LED5,15.4 ; 297.24,90.8 SW4,14.2 293.69,92.27 D92.2 ; 316.26,14.54 SW7,15.2 312.71,16.35 D101.2 ; LED1,11.4 224.34,130.02 223.84,130.52 223.8,130.52 LED1,10.2 ; 159.1,90.77 SW3,9.2 ; 245.97,63.44 244.82,63.44 242.3,60.92 242.3,48.46 239.74,45.9 LED5,12.2 ; v1(193.02,112.34) LED2,9.4 ; D65.2 188.88,54.33 SW5,10.2 192.44,52.67 ; LED7,14.4 v1(296.62,6.07) ; LED1,4.2 81.05,131.61 82.67,129.99 93.6,129.99 LED1,5.4 ; SW2,11.2 235.3,119.35 ; 3.17,90.59 3.17,93.97 5.68,96.49 13.72,96.49 ; LED1,7.2 163.61,131.5 LED1,8.4 ; 11.46,71.72 SW4,1.2 ; 163.96,138.4 SW1,8.2 ; 106.71,33.62 SW6,6.2 103.16,35.15 D39.2 ; D128.2 292.86,34.37 293.65,33.58 ; 82.9,90.77 SW3,5.2 79.34,92.23 D30.2 ; LED3,17.2 367.17,82.4 LED3,18.4 ; LED6,1.4 30.14,26.85 LED6,2.2 ; D78.2 222.22,73.31 SW4,12.2 225.77,71.72 ; U501.81 200.08,121.15 v1(200.12,121.19) ; JMP6,16.2 347.64,26.66 ; LED3,15.2 328.25,112.57 329.85,110.97 LED3,16.4 ; LED7,13.2 257.79,25.25 255.05,27.99 229.9,27.99 228.46,26.55 227.57,26.55 ; 211.49,52.67 SW5,11.2 207.93,54.33 D72.2 ; 9.08,33.62 SW6,1.2 ; 397.22,52.64 SW5,19.2 ; LED1,14.4 293.3,149.07 288.22,143.99 288.22,133.99 285.85,131.62 LED1,13.2 ; 173.39,52.67 SW5,9.2 ; LED3,3.2 52.85,82.38 LED3,4.4 ; 335.34,90.8 SW4,16.2